# Altium PCB V1I1.PcbDoc (part 1 of 2) (continued)
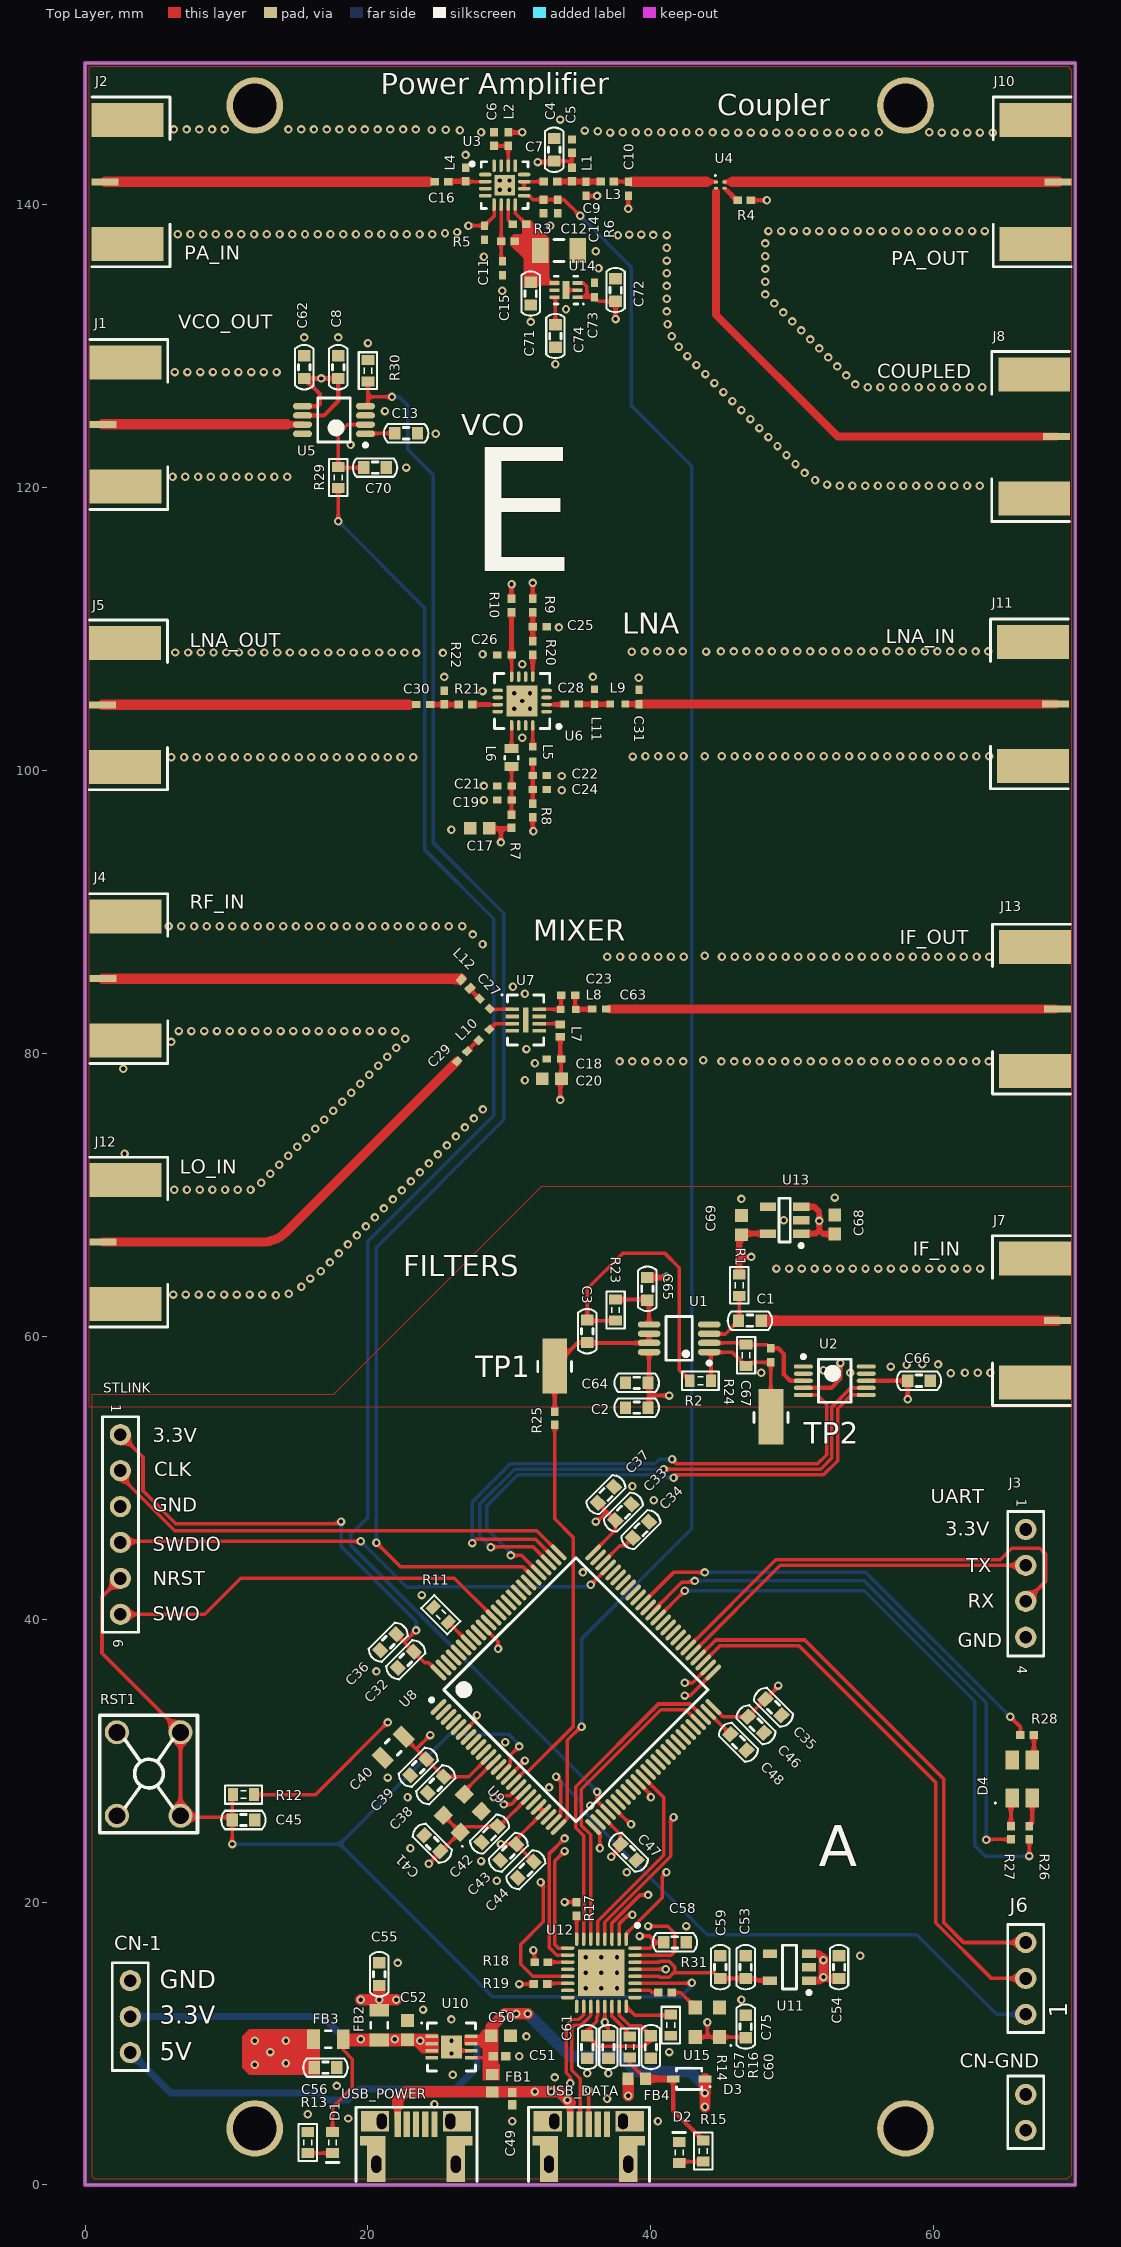
[diagram p0: Top Layer view]
## Components (designator, comment, footprint, x,y, rotation, side; value= is the part's Value field where it differs from the comment) (continued)
C62 "220pF" "0603 Cap" 15.5,128.5 r270 top
C63 "1000pF" CAPC1005X05L 36.35,83.125 r0 top
C64 "100nF" "0603 Cap" 39,56.7 r180 top
C65 "100pF" "0603 Cap" 39.75,63.35 r270 top
C66 "100nF" "0603 Cap" 58.95,56.85 r180 top
C67 "10 pF" CAPC1005X05L 48.475,58.65 r270 top
C68 "10 uF" CAPC1608X10L 53,67.9 r90 top
C69 "10 uF" CAPC1608X10L 46.4,67.85 r270 top
C70 "330nF" "0603 Cap" 20.5,121.4 r180 top
C71 "1uF" "0603 Cap" 31.5,133.7 r270 top
C72 "1uF" "0603 Cap" 37.5,133.95 r270 top
C73 "100 pF" CAPC1005X05L 36,133.95 r270 top
C74 "100nF" "0603 Cap" 33.25,130.7 r270 top
C75 "100nF" "0603 Cap" 46.7,11.2 r270 top
CN-1 "Header-1x3" Header-1x3-Jumper 3.2,11.9 r90 top
CN-GND "Header-1x2" HEADER-1x2-Jumper 66.5,5.15 r90 top
D1 "LED RED" "0603 LED" 17.5,3 r270 top
D2 "LED GREEN" "0603 LED" 42,2.3 r90 top
D3 "BAT60JFILM" SODFL250X117-2N 42.7,7.5 r180 top
D4 "150141M173100" DFN270P320X210-4N 66.25,28.7 r90 top
FB1 "120 ohm" INDC1608X08L 28.8,7.2 r90 top
FB2 "30 ohm 100mhz" "0805 Ind" 20.8,11.3 r90 top
FB3 "30 ohm 100mhz" "0805 Ind" 17.2,10.3 r180 top
FB4 "120 ohm" INDC1608X08L 39,7.5 r180 top
J1 "142-0701-851" 142-0701-851 2.85,124.45 r90 top
J2 "142-0701-851" 142-0701-851 3,141.6 r90 top locked
J3 "Header-1x4" HEADER-1X4 66.5,43.8 r270 top
J4 "142-0701-851" 142-0701-851 2.85,85.275 r90 top
J5 "142-0701-851" 142-0701-851 2.825,104.625 r90 top
J6 "Header-1x3" Header-1x3-Jumper 66.5,14.6 r90 top
J7 "142-0701-851" 142-0701-851 67.15,61.1 r270 top
J8 "142-0701-851" 142-0701-851 67.1,123.6 r270 top
J10 "142-0701-851" 142-0701-851 67.2,141.6 r270 top
J11 "142-0701-851" 142-0701-851 67,104.7 r270 top
J12 "142-0701-851" 142-0701-851 2.85,66.65 r90 top
J13 "142-0701-851" 142-0701-851 67.15,83.125 r270 top
L1 "22nH" RESC1005X04L 34.415,142.118 r90 top
L2 "22nH" RESC1005X04L 29.915,144.618 r270 top
L3 "2.2nH" RESC1005X04L 36.915,141.618 r0 top
L4 "2.2nH" RESC1005X04L 26.915,142.118 r270 top
L5 "2.2nH" INDC1005X06L 31.65,101.15 r270 top
L6 "18nH" "INDC1811X10L 0603CS" 30.15,100.9 r270 top
L7 "2.1nH" INDC0905X05N-0302CS 33.6,81.6 r270 top
L8 "1.5nH" INDC1005X06L 34.15,83.1 r0 top
L9 "1.5nH" INDC1005X06L 37.65,104.68 r180 top
L10 "3nH" INDC1005X06L 28.205,81.295 r45 top
L11 "6.8nH" INDC1005X06L 36,105.2 r270 top
L12 "0.67nH" INDC0905X05N-0302CS 26.9,84.9 r315 top
R1 "4.7K" "0603 Res" 46.25,63.6 r90 top
R2 "1.58K" "0603 Res" 43.5,56.85 r180 top
R3 "240" RESC1005X04L 30.7,138.6 r0 top
R4 "49.9" RESC1005X04L 46.6,140.3 r180 top
R5 "180" RESC1005X04L 29.9,137.4 r0 top
R6 "51K" RESC1005X04L 33.415,139.868 r90 top
R7 "0" RESC1005X04L 30.15,96.4 r270 top
R8 "0" RESC1005X04L 31.65,97.15 r90 top
R9 "0" RESC1005X04L 31.65,111.65 r90 top
R10 "0" RESC1005X04L 30.15,111.65 r270 top
R11 "10K" "0603 Res" 25.151,40.313 r135 top
R12 "10K" "0603 Res" 11.2,27.6 r0 top
R13 "220" "0603 Res" 15.75,3 r90 top
R14 "8.06K" "0603 Res" 41.4,11.3 r270 top
R15 "1K" "0603 Res" 43.7,2.4 r270 top
R16 "10K" "0603 Res" 38.5,9.75 r270 top
R17 "0" RESC1005X04L 34.75,19.5 r90 top
R18 "0" RESC1005X04L 32.25,15.75 r180 top
R19 "0" RESC1005X04L 32.2,14.2 r180 top
R20 "0" RESC1005X04L 31.65,108.65 r90 top
R21 "5.1" RESC1005X04L 26.9,104.65 r180 top
R22 "39K" RESC1005X04L 25.4,105.15 r270 top
R23 "2.94K" "0603 Res" 37.5,61.85 r90 top
R24 "22K" "0603 Res" 46.725,58.65 r270 top
R25 "0" RESC1005X04L 33.2,54.2 r270 top
R26 "100" RESC1005X04L 66.75,24.9 r270 top
R27 "220" RESC1005X04L 65.45,24.9 r270 top
R28 "100" RESC1005X04L 66.6,31.8 r180 top
R29 "22" "0603 Res" 17.9,120.7 r90 top
R30 "10K" "0603 Res" 20,128.25 r270 top
R31 "100" RESC1005X04L 41,13.6 r180 top
RST1 "PushButton" PushButton 4.5,29 r270 top
STLINK "Header-1x6" Header-1x6 2.5,50.5 r270 top
TP1 "1625854-4" "TESTPOINT 1206" 33.2,57.9 r90 top
TP2 "1625854-4" "TESTPOINT 1206" 48.5,54.3 r90 top
U1 "OPA2354AIDGKR" MSOP-8 42,59.85 r180 top
U2 "MAX5388LAUB+" "uSOP-10 uMAX" 53,56.85 r0 top
U3 "SKY65006-348LF" QFN50P300X300X100_HS-17N 29.665,141.368 r0 top
U4 "CP0302A5425ENTR" DFN60P65X25-4N 44.9,141.375 r0 top
U5 "MAX2750EUA+" "uSOP-8 uMAX" 17.6,124.765 r180 top
U6 "QPL9065" QFN50P350X350X86_HS-17N-qorvo 30.9,104.9 r180 top
U7 "ADL5350ACPZ-R7" SON50P200X80_HS-9N 31.15,82.35 r0 top
U8 "STM32F205VET6" LQFP-100 34.697,35.01 r45 top
U9 "DSC6111CI1A-016.0000" "DFN 3.2x2.5" 26.671,26.277 r45 top
U10 "ADM7171ACPZ-3.3-R7" "SON50P300X80_HS-9N LFCSP_WD Analog" 25.9,9.75 r0 top
U11 "TLV73318PDBVT" SOT95P280X145-5N 49.8,15.4 r180 top
U12 "USB3320C-EZK-TR" QFN127P600-8N 36.5,15 r270 top
U13 "LD6836TD/16H" SOT-753 49.45,68.2 r180 top
U14 "MIC5353-3.0YMT-TR" SON50P160X55_HS-7N 34,133.95 r180 top
U15 "DSC6101CI2A-024.0000" "DFN 3.2x2.5" 44,11.5 r90 top
USB_DATA "USB micro B" USB-MicroB 35.6,4.3 r0 top
USB_POWER "USB micro B" USB-MicroB 23.4,4.3 r0 top

## Footprints (in the part's own frame and the unit in brackets; to place one, negate y for a bottom-side part, rotate by r counter-clockwise, add the part's x,y. Pads: shape width x height; smd on the part's side, far side on the other; paste and mask are expansions set on the pad)
142-0701-851 [mil] "CONN SMA JACK 50 OHM EDGE MNT"
  rect 20x75 smd: 1(0,62.5)
  rect 95x200 smd: 2(-172.5,0) 3(172.5,0)
  rect 95x200 smd far side: 4(-172.5,0) 5(172.5,0)
  silkscreen extent -236,-118 236,98, body extent -191,-77 183,485, height 172
"0603 Cap" [mm] "Chip Capacitor, Body 1.6x0.8mm, IPC High Density"
  rect 0.8x0.9 smd: 1(-0.8,0) 2(0.8,0)
  silkscreen extent -1.57,-0.65 1.57,0.65, body extent -0.8,-0.4 0.8,0.4, height 0.78
"0603 LED" [mm] "LED, Body 1.6x0.8mm, IPC High Density"
  rect 0.7x0.9 smd: 1(-0.75,0) 2(0.75,0)
  silkscreen extent -0.2,-0.45 1.4,0.45, body extent -0.85,-0.45 0.85,0.45, height 0.9
"0603 Res" [mm] "Chip Resistor, Body 1.6x0.8mm, IPC High Density"
  rect 0.7x0.9 smd: 1(-0.75,0) 2(0.75,0)
  silkscreen extent -1.3,-0.65 1.3,0.65, body extent -0.78,-0.43 0.78,0.43, height 0.44
"0805 CAP" [mm] "Chip Capacitor, 2-Leads, Body 2,00x1,25mm, IPC Medium Density"
  rect 0.9x1.4 smd: 1(-1.05,0) 2(1.05,0)
  silkscreen extent -0.2,-0.6 0.2,0.6, body extent -1,-0.6 1,0.6, height 1.2
"0805 Ind" [mm] "Chip Capacitor, 2-Leads, Body 2,00x1,25mm, IPC Medium Density"
  rect 0.9x1.4 smd: 1(-1.05,0) 2(1.05,0)
  silkscreen extent -0.2,-0.6 0.2,0.6, body extent -1,-0.6 1,0.6, height 0.95
CAPC1005X05L [mm] "Chip Capacitor, 2-Leads, Body 1,00x0,50mm, IPC High Density"
  rect 0.6x0.5 smd: 1(-0.5,0) 2(0.5,0)
  body extent -0.55,-0.3 0.55,0.3, height 0.5
CAPC1608X10L [mm] "Chip Capacitor, 2-Leads, Body 1,60x0,80mm, IPC High Density"
  rect 0.9x0.9 smd: 1(-0.675,0) 2(0.675,0)
  body extent -0.9,-0.5 0.9,0.5, height 1
CAPC3216X09L [mm] "Chip Capacitor, 2-Leads, Body 3,20x1,60mm, IPC High Density"
  rect 1.15x1.75 smd: 1(-1.325,0) 2(1.325,0)
  silkscreen extent -0.35,-0.77 0.35,0.77, body extent -1.7,-0.9 1.7,0.9, height 0.95
Chip2PinSM127P600-8N_CAP0402 [mm]
  rect 0.66x0.62 smd: 1(-0.44,0) 2(0.44,0)
  body extent -0.53,-0.28 0.53,0.27, height 0.5
DFN60P65X25-4N [mm] "DFN, 4-Leads, Body 0,50x0,65mm, Pitch 0,60mm, IPC Medium Density"
  rect 0.3x0.2 smd: 1(-0.3,0.225) 2(-0.3,-0.225) 3(0.3,-0.225) 4(0.3,0.225)
  silkscreen extent -0.39,0.62 -0.3,0.72, body extent -0.35,-0.27 0.35,0.27, height 0.25
DFN270P320X210-4N [mm] "DFN, 4-Leads, Body 2,80x3,20mm, Pitch 2,70mm, IPC Medium Density"
  rect 1.35x0.95 smd: 1(1.35,0.707) 2(1.35,-0.707) 3(-1.35,0.707) 4(-1.35,-0.707)
  silkscreen extent -1.75,1.85 -1.65,1.95, body extent -1.7,-1.5 1.7,1.5, height 2.1
"DFN 3.2x2.5" [mm] "DFN, 4-Leads, Body 2,50x3,20mm, Pitch 2,10mm, IPC Medium Density"
  rect 1x0.95 smd: 1(-1.05,-0.85) 2(1.05,-0.85) 3(1.05,0.85) 4(-1.05,0.85)
  silkscreen extent -1.7,-1.7 -1.6,-1.6, body extent -1.63,-1.28 1.62,1.28, height 0.9
HEADER-1x2-Jumper [mm]
  round 1.5 hole 0.9: 1(-1.29,0) 2(1.25,0)
  silkscreen extent -2.56,-1.27 2.55,1.27, body extent -2.57,-1.24 2.52,1.25, height 8.54
Header-1x3-Jumper [mm]
  round 1.5 hole 0.9: 1(-2.54,0) 2(0,0) 3(2.54,0)
  silkscreen extent -3.81,-1.27 3.81,1.27, body extent -3.81,-1.22 3.81,1.27, height 8.54
HEADER-1X4 [mm]
  round 1.5 hole 0.9: 1(-2.54,0) 2(0,0) 3(2.54,0) 4(5.08,0)
  silkscreen extent -3.81,-1.27 6.4,1.27, body extent -3.78,-1.3 6.38,1.19, height 8.54
Header-1x6 [mm]
  round 1.5 hole 0.9: 1(-2.54,0) 2(0,0) 3(2.54,0) 4(5.08,0) 5(7.62,0) 6(10.16,0)
  silkscreen extent -3.81,-1.27 11.43,1.27, body extent -3.81,-1.22 11.43,1.27, height 8.54
INDC0905X05N-0302CS [mm] "Chip Inductor, 2-Leads, Body 0,86x0,53mm, IPC Medium Density"
  rect 0.54x0.67 smd: 1(-0.43,0) 2(0.43,0)
  body extent -0.43,-0.26 0.43,0.27, height 0.45
INDC1005X06L [mm] "Chip Inductor, 2-Leads, Body 1,00x0,50mm, IPC High Density"
  rect 0.54x0.5 smd: 1(-0.53,0) 2(0.53,0)
  body extent -0.52,-0.28 0.53,0.28, height 0.55
INDC1608X08L [mm] "Chip Inductor, 2-Leads, Body 1,60x0,80mm, IPC High Density"
  rect 0.77x0.88 smd: 1(-0.615,0) 2(0.615,0)
  body extent -0.87,-0.48 0.87,0.48, height 0.75
"INDC1811X10L 0603CS" [mm] "Chip Inductor, 2-Leads, Body 1,80x1,12mm, IPC High Density"
  rect 0.64x1.02 smd: 1(-0.64,0) 2(0.64,0)
  silkscreen extent -0.1,-0.48 0.1,0.48, body extent -0.9,-0.56 0.9,0.56, height 1.02
LQFP-100 [mm] "TSQFP, 100-Leads, Body 14,00x14,00mm, Pitch 0,50mm, IPC Medium Density"
  oval 1.45x0.3 smd: 1(-7.725,6) 2(-7.725,5.5) 3(-7.725,5) 4(-7.725,4.5) 5(-7.725,4) 6(-7.725,3.5) 7(-7.725,3) 8(-7.725,2.5) 9(-7.725,2) 10(-7.725,1.5) 11(-7.725,1) 12(-7.725,0.5) 13(-7.725,0) 14(-7.725,-0.5) 15(-7.725,-1) 16(-7.725,-1.5) 17(-7.725,-2) 18(-7.725,-2.5) 19(-7.725,-3) 20(-7.725,-3.5) 21(-7.725,-4) 22(-7.725,-4.5) 23(-7.725,-5) 24(-7.725,-5.5) 25(-7.725,-6) 51(7.725,-6) 52(7.725,-5.5) 53(7.725,-5) 54(7.725,-4.5) 55(7.725,-4) 56(7.725,-3.5) 57(7.725,-3) 58(7.725,-2.5) 59(7.725,-2) 60(7.725,-1.5) 61(7.725,-1) 62(7.725,-0.5) 63(7.725,0) 64(7.725,0.5) 65(7.725,1) 66(7.725,1.5) 67(7.725,2) 68(7.725,2.5) 69(7.725,3) 70(7.725,3.5) 71(7.725,4) 72(7.725,4.5) 73(7.725,5) 74(7.725,5.5) 75(7.725,6)
  oval 0.3x1.45 smd: 26(-6,-7.725) 27(-5.5,-7.725) 28(-5,-7.725) 29(-4.5,-7.725) 30(-4,-7.725) 31(-3.5,-7.725) 32(-3,-7.725) 33(-2.5,-7.725) 34(-2,-7.725) 35(-1.5,-7.725) 36(-1,-7.725) 37(-0.5,-7.725) 38(0,-7.725) 39(0.5,-7.725) 40(1,-7.725) 41(1.5,-7.725) 42(2,-7.725) 43(2.5,-7.725) 44(3,-7.725) 45(3.5,-7.725) 46(4,-7.725) 47(4.5,-7.725) 48(5,-7.725) 49(5.5,-7.725) 50(6,-7.725) 76(6,7.725) 77(5.5,7.725) 78(5,7.725) 79(4.5,7.725) 80(4,7.725) 81(3.5,7.725) 82(3,7.725) 83(2.5,7.725) 84(2,7.725) 85(1.5,7.725) 86(1,7.725) 87(0.5,7.725) 88(0,7.725) 89(-0.5,7.725) 90(-1,7.725) 91(-1.5,7.725) 92(-2,7.725) 93(-2.5,7.725) 94(-3,7.725) 95(-3.5,7.725) 96(-4,7.725) 97(-4.5,7.725) 98(-5,7.725) 99(-5.5,7.725) 100(-6,7.725)
  silkscreen extent -7.85,-6.6 6.6,6.82, body extent -7,-7 7,7, height 1.6
MSOP-8 [mm] "TSOP, 8-Leads, Body 3,00x3,00mm, Pitch 0,65mm, IPC Medium Density"
  oval 1.6x0.45 smd: 1(-2.125,0.975) 2(-2.125,0.325) 3(-2.125,-0.325) 4(-2.125,-0.975) 5(2.125,-0.975) 6(2.125,-0.325) 7(2.125,0.325) 8(2.125,0.975)
  silkscreen extent -2.25,-1.55 0.92,1.87, body extent -2.41,-1.52 2.59,1.48, height 1.09
PushButton [mm]
  round 1.7 hole 1.2: 1(-3,2.25) 1(2.9,2.25) 2(-3,-2.25) 2(2.9,-2.25)
  silkscreen extent -4.2,-3.45 4.1,3.45, body extent -3.96,-3.1 3.96,3.1, height 4
QFN50P300X300X100_HS-17N [mm] "QFN, 16-Leads, Body 3,00x3,00mm, Pitch 0,50mm, Thermal Pad 1,45x1,45mm, IPC Medium Density"
  oval 0.9x0.25 smd: 1(-1.375,0.75) 2(-1.375,0.25) 3(-1.375,-0.25) 4(-1.375,-0.75) 9(1.375,-0.75) 10(1.375,-0.25) 11(1.375,0.25) 12(1.375,0.75)
  oval 0.25x0.9 smd: 5(-0.75,-1.375) 6(-0.25,-1.375) 7(0.25,-1.375) 8(0.75,-1.375) 13(0.75,1.375) 14(0.25,1.375) 15(-0.25,1.375) 16(-0.75,1.375)
  rect 1.45x1.45 smd: 17(0,0)
  silkscreen extent -2.42,-1.65 1.65,1.65, body extent -1.5,-1.5 1.5,1.5, height 1
QFN50P350X350X86_HS-17N-qorvo [mm] "QFN, 16-Leads, Body 3,50x3,50mm, Pitch 0,50mm, Thermal Pad 2,20x2,20mm, IPC Medium Density"
  oval 0.75x0.25 smd: 1(-1.725,0.75) 2(-1.725,0.25) 3(-1.725,-0.25) 4(-1.725,-0.75) 9(1.725,-0.75) 10(1.725,-0.25) 11(1.725,0.25) 12(1.725,0.75)
  oval 0.25x0.75 smd: 5(-0.75,-1.725) 6(-0.25,-1.725) 7(0.25,-1.725) 8(0.75,-1.725) 13(0.75,1.725) 14(0.25,1.725) 15(-0.25,1.725) 16(-0.75,1.725)
  rect 2.2x2.2 smd: 17(0,0)
  silkscreen extent -2.73,-1.95 1.95,1.95, body extent -1.8,-1.8 1.8,1.8, height 0.86
QFN127P600-8N [mm]
  oval 0.95x0.25 smd: 1(-2.375,1.75) 2(-2.375,1.25) 3(-2.375,0.75) 4(-2.375,0.25) 5(-2.375,-0.25) 6(-2.375,-0.75) 7(-2.375,-1.25) 8(-2.375,-1.75) 17(2.375,-1.75) 18(2.375,-1.25) 19(2.375,-0.75) 20(2.375,-0.25) 21(2.375,0.25) 22(2.375,0.75) 23(2.375,1.25) 24(2.375,1.75)
  oval 0.25x0.95 smd: 9(-1.75,-2.375) 10(-1.25,-2.375) 11(-0.75,-2.375) 12(-0.25,-2.375) 13(0.25,-2.375) 14(0.75,-2.375) 15(1.25,-2.375) 16(1.75,-2.375) 25(1.75,2.375) 26(1.25,2.375) 27(0.75,2.375) 28(0.25,2.375) 29(-0.25,2.375) 30(-0.75,2.375) 31(-1.25,2.375) 32(-1.75,2.375)
  rect 3.3x3.3 smd: 33(0,0)
  silkscreen extent -3.47,2.43 -3.23,2.68, body extent -2.55,-2.55 2.55,2.55, height 1
RESC1005X04L [mm] "Chip Resistor, 2-Leads, Body 1,00x0,50mm, IPC High Density"
  rect 0.6x0.55 smd: 1(-0.475,0) 2(0.475,0)
  body extent -0.55,-0.3 0.55,0.3, height 0.4
SODFL250X117-2N [mm] "SODFL, 2-Leads, Body 1,28x2,50mm, IPC Medium Density"
  rect 0.9x0.5 smd: 1(-1.125,0) 2(1.125,0)
  silkscreen extent -1.52,-0.75 0.9,0.75, body extent -0.9,-0.72 0.9,0.72, height 1.17
SON50P160X55_HS-7N [mm] "SON, 6-Leads, Body 1,60x1,60mm, Pitch 0,50mm, Thermal Pad 1,26x0,50mm, IPC Medium Density"
  rect 0.7x0.25 smd: 1(-0.81,0.5) 2(-0.81,0) 3(-0.81,-0.5) 4(0.81,-0.5) 5(0.81,0) 6(0.81,0.5)
  rect 0.5x1.26 smd: 7(0,0)
  silkscreen extent -1.28,-0.98 0.82,1.02, body extent -0.83,-0.83 0.82,0.82, height 0.55
SON50P200X80_HS-9N [mm] "SON, 8-Leads, Body 3,00x2,00mm, Pitch 0,50mm, Thermal Pad 1,74x0,38mm, IPC Medium Density"
  rect 0.95x0.25 smd: 1(-0.945,0.75) 2(-0.945,0.25) 3(-0.945,-0.25) 4(-0.945,-0.75) 5(0.945,-0.75) 6(0.945,-0.25) 7(0.945,0.25) 8(0.945,0.75)
  rect 0.38x1.74 smd: 9(0,0)
  silkscreen extent -1.72,-1.77 1.28,1.82, body extent -1.12,-1.62 1.13,1.63, height 0.8
"SON50P300X80_HS-9N LFCSP_WD Analog" [mm] "SON, 8-Leads, Body 3,00x3,00mm, Pitch 0,50mm, Thermal Pad 1,60x1,49mm, IPC Medium Density"
  rect 0.9x0.25 smd: 1(-1.395,0.75) 2(-1.395,0.25) 3(-1.395,-0.25) 4(-1.395,-0.75) 5(1.395,-0.75) 6(1.395,-0.25) 7(1.395,0.25) 8(1.395,0.75)
  rect 1.49x1.6 smd: 9(0,0)
  silkscreen extent -2.15,-1.7 1.7,1.75, body extent -1.55,-1.55 1.55,1.55, height 0.8
SOT95P280X145-5N [mm] "SOT23, 5-Leads, Body 2,90x2,80mm, Pitch 0,95mm, IPC Medium Density"
  rect 1x0.6 smd: 1(-1.375,0.95) 2(-1.375,0) 3(-1.375,-0.95) 4(1.375,-0.95) 5(1.375,0.95)
  silkscreen extent -1.5,-1.55 0.5,1.92, body extent -0.88,-1.52 0.87,1.53, height 1.45
SOT-753 [mm]
  rect 1.15x0.6 smd: 1(-1.175,0.95) 2(-1.175,0) 3(-1.175,-0.95) 4(1.175,-0.95) 5(1.175,0.95)
  silkscreen extent -1.3,-1.55 0.4,1.92, body extent -1.5,-1.5 1.5,1.5, height 1.4
"TESTPOINT 1206" [mm] "1206 TEST POINT"
  rect 3.9x1.75 smd: 1(0,0)
  silkscreen extent -0.4,-1.2 0.3,1.2, body extent -1.6,-0.8 1.6,0.83, height 2.2
USB-MicroB [mm]
  rect 0.45x1.8 smd: 1(-1.3,0) 2(-0.65,0) 3(0,0) 4(0.65,0) 5(1.3,0)
  rect 0.55x0.7 smd: 6(-3.7,-1.175) 6(3.7,-1.175)
  rect 2x1.45 smd: 6(-2.9,0.2) 6(2.9,0.2)
  oval 0.8x1.3 hole 0.7 slot 1.2 at 90 deg: 6(-2.8,-2.83) 6(2.81,-2.83)
  rect 1.3x3.25 smd: 6(-2.8,-2.45) 6(2.8,-2.45)
  oval 0.8x1.2 hole 0.7 slot 1.1 at 90 deg: 6(-2.42,0.2) 6(2.43,0.2)
  silkscreen extent -4.25,-4.05 4.3,1.2, body extent -4.1,-4.95 4.1,0.48, height 2.68
"uSOP-8 uMAX" [mm] "TSOP, 8-Leads, Body 3,00x3,00mm, Pitch 0,65mm, IPC Medium Density"
  oval 1.35x0.45 smd: 1(-2.225,0.975) 2(-2.225,0.325) 3(-2.225,-0.325) 4(-2.225,-0.975) 5(2.225,-0.975) 6(2.225,-0.325) 7(2.225,0.325) 8(2.225,0.975)
  silkscreen extent -2.35,-1.55 1.15,1.9, body extent -1.55,-1.55 1.55,1.55, height 1.1
"uSOP-10 uMAX" [mm] "TSSOP, 10-Leads, Body 3,02x3,02mm, Pitch 0,50mm, IPC Medium Density"
  oval 1.35x0.3 smd: 1(-2.225,1) 2(-2.225,0.5) 3(-2.225,0) 4(-2.225,-0.5) 5(-2.225,-1) 6(2.225,-1) 7(2.225,-0.5) 8(2.225,0) 9(2.225,0.5) 10(2.225,1)
  silkscreen extent -2.35,-1.52 1.15,1.82, body extent -1.55,-1.55 1.55,1.55, height 1.1

## Part data
C1: library part C1608X7R1C224K080AC, "CAP CER 0.22UF 16V X7R 0603"
C2 C65: library part CL10B101KB8NNNC, "CAP CER 100PF 50V X7R 0603"
C3 C8 C62: library part CL10B221KB8WPNC, "CAP CER 220PF 50V X7R 0603"
C4: library part F981A475MMA, "CAP TANT 4.7UF 10V 20% 0603"
C5 C6: library part GRM155R71E103KA01J, "CAP CER 10000PF 25V X7R 0402"
C7 C16: library part 04025A5R6CAT2A, "AVX - 04025A5R6CAT2A - COND, MLCC, C0G/NP0, 5.6PF, 50V, 0402"
C9 C10 C27: library part GRM1555C1H1R0CA01D, "CAP CER 1PF 50V C0G/NP0 0402"
C11 C15: library part GRM1555C1H1R8CZ01D, "CAP CER 1.8PF 50V C0G/NP0 0402"
C12: library part TAJA106M006RNJ, "CAP TANT 10UF 6.3V 20% 1206"
C13 C32 C33 C35 C36 C37 C38 C39 C41 C42 C44 C45 C46 C47 C57 C58 C59 C60 C64 C66 C74 C75: library part C0603C104K4RACTU, "CAP CER 0.1UF 16V X7R 0603"
C14: library part GRM1555C1H4R7CA01D, "CAP CER 4.7PF 50V C0G/NP0 0402"
C17: library part GRM188R61C475KAAJD_1, "Multilayer Ceramic Capacitors MLCC - SMD/SMT 0603 4.7uF 16volts X5R + - 10%"
C18 C19 C22 C23 C29: library part GRM1555C1H101GA01D, "CAP CER 100PF 50V NP0 0402"
C20 C50 C52: library part GRM188R61C475KAAJD, "Multilayer Ceramic Capacitors MLCC - SMD/SMT 0603 4.7uF 16volts X5R + - 10%"
C21 C24 C30: library part CL05B104KO5NNNC, "CAP CER 0.1UF 16V 10% X7R 0402"
C25 C26 C67: library part CL05C100JB5NNNC, "CAP CER 10PF 50V 5% NP0 0402"
C28: library part GRM1555C1H100JA01D, "CAP CER 10PF 50V C0G/NP0 0402"
C31: library part GJM1555C1HR50BB01D, "CAP CER 0.5PF 50V C0G/NP0 0402"
C34 C48 C61: library part CL10B225KP8NNNC, "CAP CER 2.2UF 10V X7R 0603"
C40: library part GRM21BR71C475KE51L, "CAP CER 4.7UF 16V X7R 0805"
C43 C53 C54 C55 C56 C71 C72: library part CL10B105MO8NNWC, "CAP CER 1UF 16V X7R 0603"
C49 C51: library part CL05B103KA5NNNC, "CAP CER 10000PF 25V X7R 0402"
C63: library part GRM1555C1H102JA01D, "CAP CER 1000PF 50V C0G/NP0 0402"
C68 C69: library part GRM188R61C106MA73D, "CAP CER 10UF 16V 20% X5R 0603"
C70: library part CC0603KRX7R7BB334, "CAP CER 0.33UF 16V X7R 0603"
C73: library part CL05C101JB5NNNC, "CAP CER 100PF 50V 5% NP0 0402"
D1: library part LTST-C191KRKT, "LED RED CLEAR 0603 SMD"
D2: library part LTST-C191KGKT, "LED GREEN CLEAR 0603 SMD"
D3: "DIODE SCHOTTKY 10V 3A SOD323"
D4: "LED RGB CLEAR 1411 SMD"
FB1 FB4: library part BLM18PG121SN1D, "FERRITE BEAD 120 OHM 0603 1LN"
FB2 FB3: library part MH2029-300Y, "FERRITE BEAD 30 OHM 0805 1LN"
J1 J2 J4 J5 J7 J8 J10 J11 J12 J13: "RF Connectors / Coaxial Connectors PC END MT JCK GLD .062 BOARDS TAB"
L1 L2: library part MLK1005S22NJT000, "FIXED IND 22NH 200MA 700 MOHM"
L3 L4: library part MLK1005S2N2ST000, "FIXED IND 2.2NH 500MA 180 MOHM"
L5: library part LQW15AN2N2C10D, "FIXED IND 2.2NH 1A 27 MOHM SMD"
L6: library part 0603CS-18NXJLU, "COILCRAFT - 0603CS-18NXJLU - INDUCTOR, RF, 18NH, 5%, 3.1GHZ, SMD"
L7: library part 0302CS-2N1XJLU, "COILCRAFT - 0302CS-2N1XJLU - INDUCTOR, RF, 2.1NH,5%,15.94GHZ, SMD"
L8 L9: library part LQP15MN1N5B02D, "FIXED IND 1.5NH 280MA 200 MOHM"
L10: library part LQP15MN3N0B02D, "FIXED IND 3NH 190MA 400 MOHM SMD"
L11: library part LQG15HS6N8J02D, "FIXED IND 6.8NH 600MA 240 MOHM"
L12: library part 0302CS-N67XKLU, "COILCRAFT - 0302CS-N67XKLU - INDUCTOR, RF, 0.67NH, 10%,26GHZ, SMD"
R1: library part RC0603FR-074K7L, "RES SMD 4.7K OHM 1% 1/10W 0603"
R2: library part RC0603FR-071K58L, "RES SMD 1.58K OHM 1% 1/10W 0603"
R3: library part ERJ-2GEJ241X, "RES SMD 240 OHM 5% 1/10W 0402"
R4: library part MCR01MRTF49R9, "RES 49.9 OHM 1/16W 1% 0402 SMD"
R5: library part ERJ-2GEJ181X, "RES SMD 180 OHM 5% 1/10W 0402"
R6: library part ERJ-2GEJ513X, "RES SMD 51K OHM 5% 1/10W 0402"
R7 R8 R9 R10 R17 R18 R19 R20 R25: library part RC1005J000CS, "RES 0.0 OHM 1/16W JUMP 0402"
R11 R12 R16 R30: library part RC0603FR-0710KL, "RES SMD 10K OHM 1% 1/10W 0603"
R13: library part RC0603FR-07220RL, "RES SMD 220 OHM 1% 1/10W 0603"
R14: library part RC0603FR-078K06L, "RES SMD 8.06K OHM 1% 1/10W 0603"
R15: library part RC0603FR-071KL, "RES SMD 1K OHM 1% 1/10W 0603"
R21: library part RC1005F5R1CS, "RES SMD 5.1 OHM 1% 1/16W 0402"
R22: library part RC0402FR-0739KL, "RES SMD 39K OHM 1% 1/16W 0402"
R23: library part RC0603FR-072K94L, "RES SMD 2.94K OHM 1% 1/10W 0603"
R24: library part RC0603FR-0722KL, "RES SMD 22K OHM 1% 1/10W 0603"
R26 R28 R31: library part MCR01MRTF1000, "RES 100 OHM 1/16W 1% 0402 SMD"
R27: library part RC0402FR-07220RL, "RES SMD 220 OHM 1% 1/16W 0402"
R29: library part RC0603FR-0722RL, "RES SMD 22 OHM 1% 1/10W 0603"
TP1 TP2: "1206 PROBE PAD"
U1: "IC OPAMP VFB 100MHZ RRO 8VSSOP"
U2: "IC DGTL POT 256POS 10K 10UMAX"
U3: "PA: Linear, high-gain two-stage power  amplifier with integrated output power detector and second  harmonic (F2) filter"
U4: "WIFI COUPLER 0302"
U5: "IC OSC VOLT CNTRL 8-UMAX"
U7: "IC MIXER 750MHZ-4GHZ 8LFCSP"
U8: "IC MCU 32BIT 512KB FLASH 100LQFP"
U9 U15: "ULTRA-LOW POWER,MEMS OSCILLATOR,"
U10: "IC REG LDO 3.3V 1A 8-LFCSP"
U11: "IC REG LINEAR 1.8V 300MA SOT23-5"
U12: "IC TXRX USB 2.0 FLEXPWR 32QFN"
U13: "NEXPERIA - LD6836TD/16H - LDO, 5,5V, 0.09VDO, 0,3A, 1,6V, 5SOT753"
U14: "IC REG LINEAR 3V 500MA 6TMLF"

## Free pads (board coordinates)
  round 4 hole 3.1: 1(12,147) 2(58,147) 3(12,4) 4(58,4)

## Via types
v1: diameter 0.6, hole 0.3, Top Layer to Bottom Layer, tented both sides, 646 vias
v2: diameter 0.6, hole 0.3, Top Layer to Bottom Layer, 10 vias

## Nets (pads, with @x,y where several pads share a name; then routed paths per layer and width w, separated by ;. In a path a pad name is that pad's centre, name@x,y a point inside that pad or via, vN(x,y) a via of type N, cw(c..) or ccw(c..) an arc to the next point about the centre after c; other vN are vias at no path point)
1V6: C65.1 C69.2 R1.2 U2.4 U13.5 | length 27.7
  Top Layer w0.3: U2.4@50.775,56.35 52.75,56.35 53.4,57 v1(53.4,58.1)
  Top Layer w0.4: C65.1@39.75,64.15 41.05,64.15 v1(41.1,64.2) ; R1.2@46.25,64.35 46.25,65.6 ; v1(47.1,65.6) 46.25,65.6 ; U13.5@48.275,67.25 46.475,67.25 C69.2@46.4,67.175 46.25,67.025 46.25,65.6
  Power w0.4: v1(41.1,64.2) 42.5,65.6 v1(47.1,65.6) 53.4,59.3 v1(53.4,58.1)
1V8: C53.2 C59.2 U11.5 U12.28 U12.30 | length 13.4
  Top Layer w0.25: U12.28@38.875,14.75 40.55,14.75 40.625,14.675 41.288,14.675 41.7,15.087 41.7,15.413 41.288,15.825 40.625,15.825 40.55,15.75 U12.30@38.875,15.75 ; 41.625,15.012 44.488,15.012 C59.2@44.9,14.6
  Top Layer w0.3: C59.2@44.9,14.6 C53.2@46.7,14.6 47.4,14.6 47.55,14.45 U11.5@48.425,14.45
3V0: C12.1 C71.1 R3.2 R5.2 U3.8 U14.4 | length 3.4
  Top Layer w0.25: U3.8@30.415,139.993 30.415,139.374 31.175,138.614 R3.2@31.175,138.6 ; C71.1@31.5,134.45 U14.4@33.19,134.45
3V3: C52.2 C54.2 CN-1.2 D1.1 FB2.1 FB3.1 U10.1 U10.2 U10.3 U11.1 U11.3 | length 28.9
  Top Layer w0.25: D1.1@17.5,3.75 17.5,5.5 18.9,6.9 18.9,8.9 18.25,9.55 FB3.1@18.25,10.3
  Top Layer w0.5: U11.1@51.175,14.45 51.95,14.45 v1(52.2,14.7) 52.3,14.6 C54.2@53.1,14.6 ; U11.3@51.175,16.35 51.85,16.35 v1@52.2,16
  Top Layer w0.7: v1(52.2,14.7) v1@52.2,16
  Bottom Layer w0.5: CN-1.2@3.2,11.9 16.8,11.9 18.4,10.3 v1(19.5,10.3)
  other v1: 23.7,10.2 21.9,10.3 52.2,15.9
5V: C50.2 C51.2 CN-1.1 D3.1 FB1.2 U10.5 U10.7 U10.8 | length 56.4
  Top Layer w0.25: U10.5@27.295,9 28.76,9 C51.2@28.86,9.1
  Top Layer w0.8: C50.2@28.725,10.55 28.725,11.175 v1(29.65,12.1) v1(30.475,12.1) v1(31.3,12.1) ; v1(43.825,5.525) D3.1@43.825,7.5
  Bottom Layer w0.5: CN-1.1@3.2,9.36 6.06,6.5 16.5,6.5 17,6 18.6,6 19.4,6.8 26.2,6.8 27.7,8.3 27.7,10.15 v1(29.65,12.1)
  Bottom Layer w0.8: v1(29.65,12.1) v1(30.475,12.1) v1(31.3,12.1) 34.3,9.1 37.9,9.1 39,8 42.8,8 43.825,6.975 v1(43.825,5.525)
  other v1: 43.825,6.5
A3.3V: C68.1 U13.1 U13.3 | length 5.3
  Top Layer w0.4: U13.1@50.625,67.25 51.65,67.25 51.9,67.5 ; U13.3@50.625,69.15 51.55,69.15 51.9,68.8 51.9,67.5 ; C68.1@53,67.225 52.175,67.225 51.9,67.5
  other v1: 51.9,68.15
A3V3: C2.1 C4.1 C5.2 C8.2 C11.2 C17.2 C18.2 C20.1 C43.2 C44.1 C56.2 C62.2 C64.1 C66.2 C72.2 C73.2 FB3.2 L1.2 L2.1 L7.2 R7.2 R8.1 R9.2 R10.1 U1.8 U2.8 U3.5 U5.5 U5.6 U8.21 U8.22 U14.1 U14.3 | length 51.8
  Top Layer w0.25: v1(27.1,138.5) C11.2@28.25,138.5 28.915,139.165 U3.5@28.915,139.993 ; v1(29.4,24.1) 30.474,24.1 C43.2@30.489,24.085 ; C44.1@31.727,22.847 C43.2@30.489,24.085 ; U8.21@32.063,26.719 U8.22@32.416,26.365 30.489,24.438 C43.2@30.489,24.085 ; C4.1@33.165,143.068 34.365,143.068 34.415,143.118 ; C20.1@33.575,78.1 33.65,78.1 C18.2@33.65,79.6 ; L1.2@34.415,142.593 34.415,143.118 ; C5.2@34.415,143.643 34.415,143.118 ; U14.1@34.81,133.45 C73.2@36,133.45 36.3,133.15 C72.2@37.5,133.15 ; U14.3@34.81,134.45 35.225,134.45 35.475,134.2 35.475,133.45
  Top Layer w0.3: U5.6@15.375,125.09 16.89,125.09 17.9,126.1 17.9,127.3 C8.2@17.9,127.7 C62.2@15.5,127.7 16.6,126.6 16.6,125.9 16.44,125.74 U5.5@15.375,125.74 ; C56.2@16.15,8.35 FB3.2@16.15,10.3 ; C17.2@28.575,95.9 29.4,95.9 ; v1(29.4,94.9) 29.4,95.9 ; L2.1@29.915,145.093 30.893,145.093 v1(30.9,145.1) ; R7.2@30.15,95.925 30.125,95.9 29.4,95.9 ; R10.1@30.15,112.125 v1(30.15,113.15) ; R8.1@31.65,96.675 31.65,95.75 v1(31.7,95.7) ; R9.2@31.65,112.125 v1(31.65,113.25) ; v1(32,143) 33.097,143 C4.1@33.165,143.068 ; C20.1@33.575,78.1 33.6,78.075 v1(33.6,76.7) ; L7.2@33.6,81.17 33.6,79.65 C18.2@33.65,79.6 ; v1(37.5,131.9) C72.2@37.5,133.15 ; C2.1@39.8,54.95 39.875,55.025 39.875,55.8 ; U1.8@39.875,58.875 39.875,55.8 ; v1(41.3,55.8) 39.875,55.8 ; U2.8@55.225,56.85 C66.2@58.15,56.85 v1(58.15,55.55)
  other v1: 12,8.5 14.2,8.6 13.1,9.4 12,10.2 14.2,10.2 16.7,127.7
ADC_IN: R25.2 U8.16 | length 27.7
  Top Layer w0.25: U8.16@30.295,28.487 31.008,29.2 31.3,29.2 34.5,32.4 34.5,45.8 33.2,47.1 R25.2@33.2,53.725
ANT_IN: C31.2 J11.1 L9.1 | length 30.4
  Top Layer w0.34: C31.2@39.15,104.68 cw(c39.198,104.632) C31.2@39.198,104.7
  Top Layer w0.38: L9.1@38.18,104.68 C31.2@39.15,104.68
  Top Layer w0.64: C31.2@39.198,104.7 J11.1@68.588,104.7
ANT_OUT: J10.1 U4.4 | length 23.6
  Top Layer w0.3: U4.4@45.2,141.6 45.8,141.6
  Top Layer w0.74: 45.8,141.6 J10.1@68.788,141.6
COUPLED: J8.1 U4.2 | length 36.6
  Top Layer w0.25: 44.6,140.9 U4.2@44.6,141.15
  Top Layer w0.54: 44.6,140.9 44.6,132.2 53.2,123.6 J8.1@68.688,123.6